# KiCad board ButterStick.kicad_pcb (continued)
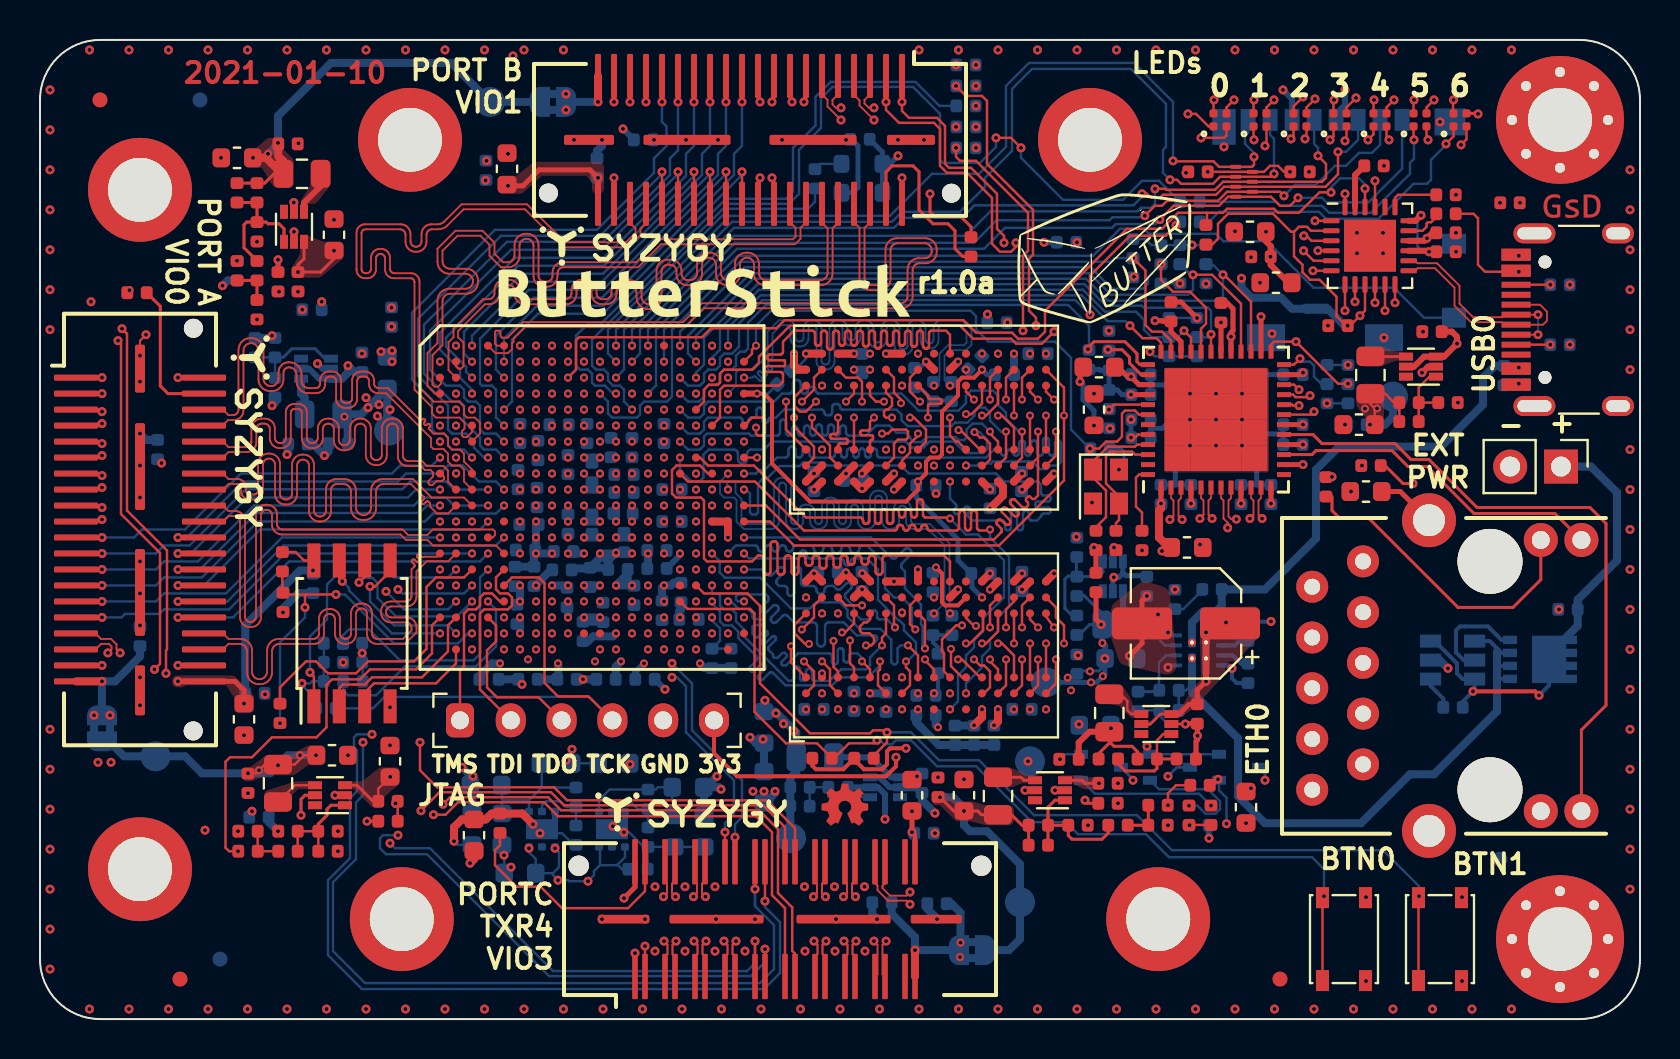
[diagram p0: board, top side]
## Routing (per net, layer and track width the routed paths; a pad name or vN(x,y) marks a point on that pad's centre or on a via; arc(x,y) is an arc through that point) (continued)
/SYZYGY2.RX3_N: length 27.8
  Top w0.1: J5.31 40.75,3.12 40.62,3.25 40.62,3.72 v1(40.8,3.9)
  In5.Cu w0.089: v1(40.8,3.9) 40.62,4.07 40.62,4.75 41.97,6.1 41.97,8 40.97,9.01 40.92,9.06 40.89,9.13 40.88,9.2 40.88,9.27 40.89,9.34 40.92,9.41 40.97,9.47 41.14,9.64 41.22,9.73 41.27,9.84 41.3,9.96 41.3,10.08 41.27,10.2 41.22,10.31 41.14,10.4 41.1,10.45 41,10.53 40.89,10.58 40.77,10.61 40.65,10.61 40.53,10.58 40.42,10.53 40.33,10.45 40.16,10.28 40.1,10.23 40.03,10.2 39.96,10.19 39.89,10.19 39.82,10.2 39.75,10.23 39.7,10.28 39.65,10.34 39.62,10.4 39.6,10.47 39.6,10.55 39.62,10.62 39.65,10.68 39.7,10.74 39.87,10.91 39.95,11.01 40,11.12 40.03,11.23 40.03,11.36 40,11.47 39.95,11.58 39.87,11.68 39.82,11.72 39.73,11.8 39.62,11.85 39.5,11.88 39.38,11.88 39.26,11.85 39.15,11.8 39.06,11.72 38.1,10.77 38.04,10.72 37.98,10.69 37.91,10.67 37.83,10.67 37.76,10.69 37.7,10.72 37.64,10.77 37.59,10.82 37.56,10.89 37.55,10.96 37.55,11.03 37.56,11.1 37.59,11.17 37.64,11.23 37.81,11.4 37.89,11.49 37.94,11.6 37.97,11.72 37.97,11.84 37.94,11.96 37.89,12.07 37.81,12.16 36.65,13.32 33.55,13.32 32.53,14.35 32.53,18.22 v2(32.8,18.5)
/SYZYGY2.RX3_P: length 27.8
  Top w0.1: v1(40.2,3.9) 40.38,3.72 40.38,3.25 40.25,3.12 J5.29
  In5.Cu w0.089: v2(32,18.5) 32.28,18.22 32.28,14.25 33.45,13.07 36.55,13.07 37.61,12.01 37.66,11.95 37.69,11.89 37.7,11.82 37.7,11.75 37.69,11.67 37.66,11.61 37.61,11.55 37.44,11.38 37.36,11.28 37.31,11.18 37.28,11.06 37.28,10.94 37.31,10.82 37.36,10.71 37.44,10.61 37.49,10.57 37.58,10.49 37.69,10.44 37.81,10.41 37.93,10.41 38.05,10.44 38.16,10.49 38.25,10.57 39.21,11.52 39.27,11.57 39.33,11.6 39.4,11.62 39.48,11.62 39.55,11.6 39.61,11.57 39.67,11.52 39.72,11.47 39.75,11.4 39.76,11.33 39.76,11.26 39.75,11.19 39.72,11.12 39.67,11.06 39.5,10.89 39.42,10.8 39.37,10.69 39.34,10.57 39.34,10.45 39.37,10.33 39.42,10.22 39.5,10.13 39.54,10.08 39.64,10 39.75,9.95 39.87,9.92 39.99,9.92 40.11,9.95 40.22,10 40.31,10.08 40.48,10.25 40.54,10.3 40.61,10.33 40.68,10.34 40.75,10.34 40.82,10.33 40.89,10.3 40.94,10.25 40.99,10.19 41.02,10.13 41.04,10.06 41.04,9.99 41.02,9.91 40.99,9.85 40.94,9.79 40.77,9.62 40.69,9.52 40.64,9.42 40.61,9.3 40.61,9.18 40.64,9.06 40.69,8.95 40.77,8.85 41.72,7.9 41.72,6.2 40.38,4.85 40.38,4.07 v1(40.2,3.9)
/SYZYGY2.S0: length 27.8
  Top w0.12: v1(34.25,9.35) J5.14
  In2.Cu w0.12: v2(28,32.1) 28,31.85 28.4,31.45 28.4,31.05 28.55,30.9 28.95,30.9 29.2,30.65 29.2,23 30,22.2 30,21.55 30.2,21.35 30.6,21.35 30.8,21.15 30.8,19.7 30.85,19.65 30.85,18.95 30.8,18.9 30.8,17.9 v1(31.6,17.1)
  Bottom w0.12: v1(31.6,17.1) 31.85,17.1 32.3,16.65 32.3,14.35 34.7,11.95 34.7,10.25 34.25,9.8 v1(34.25,9.35)
/SYZYGY2.S1: length 29
  Top w0.12: v1(34.75,9.1) J5.16
  In2.Cu w0.12: v2(28,32.9) 28.4,32.5 28.4,32 28.7,31.7 29,31.7 29.2,31.5 29.2,31.05 29.35,30.9 29.8,30.9 30,30.7 30,22.6 30.3,22.3 30.55,22.3 30.8,22.05 30.8,21.45 30.95,21.3 31.4,21.3 31.6,21.1 v1(31.6,17.8)
  Bottom w0.12: v1(31.6,17.8) 32.6,16.8 32.6,14.45 35.1,11.95 35.1,10.1 34.75,9.75 v1(34.75,9.1)
/SYZYGY2.S2: length 52.7
  Top w0.12: v1(35.75,3.9) J5.17
  In5.Cu w0.12: v2(24,31.3) 23.6,30.9 22.2,30.9 22,30.7 22,30.3 21.66,29.96 21.66,28.79 21.2,28.32 21.2,27.9 21,27.7 20.59,27.7 20.19,27.3 19.6,27.3 18.3,26 18.3,17.95 15.33,14.97 15.33,13.97 14.85,13.5 14.85,12.25 17.5,9.6 v1(17.5,8.8)
  Bottom w0.12: v1(17.5,8.8) 17.75,8.55 19.5,8.55 25.65,2.4 35.35,2.4 35.75,2.8 v1(35.75,3.9)
/SYZYGY2.S3: length 62.9
  Top w0.12: v1(35.75,6.5) J5.18
  In5.Cu w0.12: v2(24.8,31.3) 24.4,30.9 24.4,30.3 24.2,30.1 23.82,30.1 23.6,29.87 23.6,29.5 23.4,29.3 23.05,29.3 22.8,29.05 22.8,27.9 22.6,27.7 22.15,27.7 20.55,26.1 19.65,26.1 18.9,25.35 18.9,17.65 16.15,14.9 v1(16.15,13.85)
  Bottom w0.12: 35.75,5.65 36.7,4.7 36.7,2.5 36,1.8 16.25,1.8 14.65,3.4 14.65,6.85 15.8,8 15.8,10.85 16.15,11.2 v1(16.15,13.85) ; 35.75,5.65 v1(35.75,6.5) 35.75,5.65
/SYZYGY2.S4: length 52.8
  Top w0.12: v1(36.25,3.5) J5.19
  In5.Cu w0.12: v1(17.9,9.2) 17.9,9.7 16.15,11.45 16.15,13.3 15.75,13.7 15.75,15 18.55,17.8 18.55,25.7 19.78,26.92 21.03,26.92 22,27.9 22,29.85 22.25,30.1 23.35,30.1 23.75,30.5 v2(24,30.5)
  Bottom w0.12: v1(36.25,3.5) 36.25,2.85 35.55,2.15 25.45,2.15 19.35,8.25 17.3,8.25 17,8.55 17,9.05 17.15,9.2 v1(17.9,9.2)
/SYZYGY2.S5: length 63.3
  Top w0.12: v1(36.25,5.9) J5.20
  In5.Cu w0.12: v1(16.6,14.25) 17.6,14.25 18,14.65 18,16.05 19.25,17.3 19.25,24.75 19.8,25.3 20.4,25.3 22,26.9 22.55,26.9 22.8,27.15 22.8,27.45 23.05,27.7 23.35,27.7 23.6,27.95 23.6,29.05 23.85,29.3 24.15,29.3 24.4,29.55 24.4,29.82 24.8,30.22 v2(24.8,30.5)
  Bottom w0.12: v1(16.6,14.25) 15.85,14.25 15.7,14.1 15.7,13.6 15.85,13.45 15.85,11.4 15.5,11.05 15.5,8.05 14.4,6.95 14.4,3.2 16.1,1.5 36.2,1.5 37,2.3 37,4.85 36.25,5.6 v1(36.25,5.9)
/SYZYGY2.S6: length 51.3
  Top w0.12: J5.21 37.25,5.55 36.6,6.2 36.6,9.35 35.8,10.15 25.9,10.15 25.2,10.85 20.9,10.85 20.28,10.22 v1(19.67,10.22)
  In5.Cu w0.12: v2(25.6,31.3) 26,30.9 26,29.5 25.8,29.3 25.43,29.3 25.2,29.07 25.2,27.95 24.95,27.7 24.6,27.7 24.4,27.5 24.4,27.15 24.15,26.9 23.85,26.9 23.6,26.65 23.6,26.35 23.35,26.1 23.05,26.1 22.8,25.85 22.8,25.55 22.55,25.3 22.2,25.3 22,25.1 22,24.7 21.8,24.5 21.4,24.5 21.2,24.3 21.2,20.7 20.4,19.9 20.4,17.55 18.6,15.75 18.6,12.35 19.65,11.3 19.65,10.25 v1(19.67,10.22)
/SYZYGY2.S7: length 46
  Top w0.12: J5.22 37.25,9.6 36.15,10.7 26.2,10.7 25.55,11.35 19.97,11.35 v1(19.05,10.42)
  In5.Cu w0.12: v1(19.05,10.42) 19.05,11.1 18.32,11.83 18.32,15.87 19.55,17.1 19.55,24.25 19.8,24.5 21,24.5 21.2,24.7 21.2,25.25 22.05,26.1 22.55,26.1 22.8,26.35 22.8,26.7 23,26.9 23.35,26.9 23.6,27.15 23.6,27.45 23.85,27.7 24.15,27.7 24.4,27.95 24.4,29.05 24.65,29.3 24.95,29.3 25.2,29.55 25.2,30.1 v2(25.6,30.5)
/SYZYGY2.S8: length 50.5
  Top w0.12: J5.23 37.75,3.27 37.61,3.41 37.61,5.59 36.9,6.3 36.9,9.5 35.95,10.45 26.05,10.45 25.4,11.1 20.5,11.1 v1(20.15,10.75)
  In5.Cu w0.12: v1(20.15,10.75) 20.15,11.51 19.53,12.14 19.53,15.77 22.03,18.27 22.03,20.32 22.2,20.5 22.55,20.5 22.78,20.72 22.78,24.27 23,24.5 24.18,24.5 24.4,24.72 24.4,25.12 24.57,25.3 25,25.3 25.2,25.5 25.2,25.85 25.45,26.1 25.8,26.1 26.03,26.32 26.03,26.7 26.18,26.85 26.5,26.85 26.8,27.15 26.8,29.1 27,29.3 27.35,29.3 27.6,29.55 27.6,29.85 27.2,30.25 v2(27.2,30.5)
/SYZYGY2.S9: length 45.5
  Top w0.12: v1(19,13.85) 19,12.45 19.85,11.6 25.7,11.6 26.35,10.95 36.35,10.95 37.75,9.55 J5.24
  In5.Cu w0.12: v1(19,13.85) 19,15.75 21.2,17.95 21.2,20.3 21.4,20.5 21.8,20.5 22,20.7 22,23.92 23.38,25.3 24.2,25.3 24.4,25.5 24.4,26.65 24.6,26.85 25.75,26.85 26,27.1 26,29.1 26.2,29.3 26.55,29.3 26.8,29.55 26.8,30.9 v2(27.2,31.3)
/SYZYGY2.TX0_N: length 27.8
  Top w0.1: 31.72,7.89 31.72,6.9 31.6,6.77 31.6,6.3 v1(31.78,6.12)
  In2.Cu w0.089: v2(23.2,19.3) 22.93,19.02 22.93,18.85 22.43,18.35 22.43,8.05 24.05,6.42 24.16,6.42 24.28,6.41 24.39,6.37 24.5,6.31 24.58,6.22 24.65,6.12 24.69,6 24.7,5.88 24.7,5.38 24.71,5.31 24.73,5.24 24.77,5.18 24.82,5.12 24.88,5.09 24.95,5.06 25.03,5.05 25.1,5.06 25.17,5.09 25.23,5.12 25.28,5.18 25.32,5.24 25.34,5.31 25.35,5.38 25.35,5.88 25.36,6 25.4,6.12 25.47,6.22 25.55,6.31 25.66,6.37 25.77,6.41 25.89,6.42 27.65,6.42 29.35,8.12 31.05,8.12 31.6,7.58 31.6,6.3 v1(31.78,6.12)
/SYZYGY2.TX0_P: length 27.8
  Top w0.1: 31.22,7.89 31.22,6.9 31.35,6.77 31.35,6.3 v1(31.18,6.12)
  In2.Cu w0.089: v1(31.18,6.12) 31.35,6.3 31.35,7.47 30.95,7.87 29.45,7.87 27.75,6.17 25.93,6.17 25.85,6.17 25.78,6.14 25.72,6.1 25.67,6.05 25.63,5.99 25.61,5.92 25.6,5.85 25.6,5.35 25.59,5.23 25.55,5.11 25.48,5.01 25.4,4.92 25.29,4.86 25.18,4.82 25.06,4.8 24.99,4.8 24.87,4.82 24.76,4.86 24.65,4.92 24.57,5.01 24.5,5.11 24.46,5.23 24.45,5.35 24.45,5.85 24.44,5.92 24.42,5.99 24.38,6.05 24.33,6.1 24.27,6.14 24.2,6.17 24.12,6.17 23.95,6.17 22.18,7.95 22.18,18.45 22.68,18.95 22.68,19.02 v2(22.4,19.3)
/SYZYGY2.TX1_N: length 27.8
  Top w0.1: v1(33.28,6.12) 33.1,6.3 33.1,6.77 33.22,6.9 33.22,7.89
  In2.Cu w0.089: v2(26.4,19.3) 26.12,19.02 26.12,18.95 26.53,18.55 26.53,17.25 24.93,15.65 24.93,12.85 25.31,12.46 25.39,12.37 25.44,12.26 25.47,12.14 25.47,12.02 25.44,11.9 25.39,11.79 25.31,11.7 24.61,11 24.57,10.94 24.54,10.88 24.52,10.81 24.52,10.73 24.54,10.66 24.57,10.6 24.61,10.54 24.67,10.49 24.74,10.46 24.81,10.45 24.88,10.45 24.95,10.46 25.02,10.49 25.07,10.54 27.08,12.55 27.18,12.63 27.29,12.68 27.41,12.71 27.53,12.71 27.65,12.68 27.75,12.63 27.85,12.55 27.9,12.5 27.97,12.41 28.03,12.3 28.05,12.18 28.05,12.06 28.03,11.94 27.97,11.83 27.9,11.74 27.2,11.04 27.15,10.98 27.12,10.92 27.1,10.85 27.1,10.77 27.12,10.7 27.15,10.64 27.2,10.58 27.45,10.32 30.85,10.32 33.1,8.08 33.1,6.3 v1(33.28,6.12)
/SYZYGY2.TX1_P: length 27.8
  Top w0.1: v1(32.68,6.12) 32.85,6.3 32.85,6.77 32.72,6.9 32.72,7.89
  In2.Cu w0.089: v1(32.68,6.12) 32.85,6.3 32.85,7.97 30.75,10.07 27.35,10.07 27,10.43 26.92,10.52 26.87,10.63 26.84,10.75 26.84,10.87 26.87,10.99 26.92,11.1 27,11.19 27.7,11.89 27.74,11.95 27.77,12.01 27.79,12.08 27.79,12.16 27.77,12.23 27.74,12.29 27.7,12.35 27.64,12.4 27.57,12.43 27.5,12.44 27.43,12.44 27.36,12.43 27.29,12.4 27.24,12.35 25.23,10.34 25.13,10.26 25.02,10.21 24.9,10.18 24.78,10.18 24.66,10.21 24.55,10.26 24.46,10.34 24.41,10.39 24.34,10.48 24.28,10.59 24.26,10.71 24.26,10.83 24.28,10.95 24.34,11.06 24.41,11.15 25.11,11.85 25.16,11.91 25.19,11.97 25.2,12.05 25.2,12.12 25.19,12.19 25.16,12.25 25.11,12.31 24.68,12.75 24.68,15.75 26.28,17.35 26.28,18.45 25.88,18.85 25.88,19.02 v2(25.6,19.3)
/SYZYGY2.TX2_N: length 27.8
  Top w0.1: 39.22,7.89 39.22,6.9 39.1,6.77 39.1,6.3 v1(39.28,6.12)
  In2.Cu w0.089: v2(30.4,19.3) 30.12,19.02 30.12,18.85 29.72,18.45 29.72,16.65 30.03,16.35 30.03,13.35 31.02,12.36 31.07,12.32 31.14,12.28 31.21,12.27 31.28,12.27 31.35,12.28 31.42,12.32 31.48,12.36 31.96,12.85 32.05,12.92 32.16,12.97 32.28,13 32.4,13 32.52,12.97 32.63,12.92 32.73,12.85 32.77,12.8 32.85,12.7 32.9,12.59 32.93,12.48 32.93,12.35 32.9,12.24 32.85,12.13 32.77,12.03 32.29,11.55 32.24,11.49 32.21,11.43 32.2,11.35 32.2,11.28 32.21,11.21 32.24,11.15 32.29,11.09 32.55,10.82 36.35,10.82 37.05,10.12 37.13,10.03 37.18,9.92 37.21,9.8 37.21,9.68 37.18,9.56 37.13,9.45 37.05,9.36 36.66,8.96 36.61,8.91 36.58,8.84 36.56,8.77 36.56,8.7 36.58,8.63 36.61,8.56 36.66,8.5 36.71,8.46 36.78,8.43 36.85,8.41 36.92,8.41 37,8.43 37.06,8.46 37.12,8.5 38.27,9.66 38.37,9.73 38.48,9.79 38.59,9.81 38.72,9.81 38.83,9.79 38.94,9.73 39.04,9.66 39.09,9.61 39.16,9.52 39.21,9.41 39.24,9.29 39.24,9.17 39.21,9.05 39.16,8.94 39.09,8.85 38.94,8.7 38.89,8.64 38.86,8.58 38.85,8.5 38.85,8.43 38.86,8.36 38.89,8.3 38.94,8.24 39.1,8.08 39.1,6.3 v1(39.28,6.12)
/SYZYGY2.TX2_P: length 27.8
  Top w0.1: 38.72,7.89 38.72,6.9 38.85,6.77 38.85,6.3 v1(38.68,6.12)
  In2.Cu w0.089: v1(38.68,6.12) 38.85,6.3 38.85,7.97 38.74,8.09 38.66,8.18 38.61,8.29 38.58,8.41 38.58,8.53 38.61,8.65 38.66,8.76 38.74,8.85 38.89,9 38.93,9.06 38.96,9.12 38.98,9.19 38.98,9.26 38.96,9.34 38.93,9.4 38.89,9.46 38.83,9.5 38.76,9.54 38.69,9.55 38.62,9.55 38.55,9.54 38.48,9.5 38.43,9.46 37.27,8.3 37.18,8.23 37.07,8.18 36.95,8.15 36.83,8.15 36.71,8.18 36.6,8.23 36.5,8.3 36.46,8.35 36.38,8.45 36.33,8.55 36.3,8.67 36.3,8.79 36.33,8.91 36.38,9.02 36.46,9.12 36.85,9.51 36.9,9.57 36.93,9.63 36.95,9.7 36.95,9.78 36.93,9.85 36.9,9.91 36.85,9.97 36.25,10.57 32.45,10.57 32.09,10.94 32.01,11.03 31.96,11.14 31.93,11.26 31.93,11.38 31.96,11.5 32.01,11.61 32.09,11.7 32.57,12.19 32.62,12.24 32.65,12.31 32.67,12.38 32.67,12.45 32.65,12.52 32.62,12.59 32.57,12.65 32.52,12.69 32.45,12.72 32.38,12.74 32.31,12.74 32.24,12.72 32.17,12.69 32.11,12.65 31.63,12.16 31.53,12.09 31.42,12.03 31.31,12.01 31.18,12.01 31.07,12.03 30.96,12.09 30.86,12.16 29.78,13.25 29.78,16.25 29.47,16.55 29.47,18.55 29.88,18.95 29.88,19.02 v2(29.6,19.3)
/SYZYGY2.TX3_N: length 27.8
  Top w0.1: 40.72,7.89 40.72,6.9 40.6,6.77 40.6,6.3 v1(40.78,6.12)
  In2.Cu w0.089: v2(33.6,19.3) 33.32,19.02 33.32,18.95 33.72,18.55 33.72,17.55 37.35,13.92 39.85,13.92 40.6,13.18 40.6,12.62 40.59,12.5 40.55,12.38 40.48,12.28 40.4,12.19 40.29,12.13 40.18,12.09 40.06,12.07 39.26,12.07 39.19,12.07 39.12,12.04 39.06,12 39,11.95 38.97,11.89 38.94,11.82 38.93,11.75 38.94,11.68 38.97,11.61 39,11.55 39.06,11.5 39.12,11.46 39.19,11.43 39.26,11.42 41.68,11.42 41.8,11.41 41.91,11.37 42.01,11.31 42.1,11.22 42.16,11.12 42.2,11 42.22,10.88 42.22,10.82 42.2,10.7 42.16,10.58 42.1,10.48 42.01,10.39 41.91,10.33 41.8,10.29 41.68,10.27 40.93,10.27 40.85,10.27 40.78,10.24 40.72,10.2 40.67,10.15 40.63,10.09 40.61,10.02 40.6,9.95 40.61,9.88 40.63,9.81 40.67,9.75 40.72,9.7 40.78,9.66 40.85,9.63 40.93,9.62 41.73,9.62 41.85,9.61 41.96,9.57 42.06,9.51 42.15,9.42 42.21,9.32 42.25,9.2 42.27,9.08 42.27,9.02 42.25,8.9 42.21,8.78 42.15,8.68 42.06,8.59 41.96,8.53 41.85,8.49 41.73,8.47 40.93,8.47 40.85,8.47 40.78,8.44 40.72,8.4 40.67,8.35 40.63,8.29 40.61,8.22 40.6,8.15 40.6,6.3 v1(40.78,6.12)
/SYZYGY2.TX3_P: length 27.8
  Top w0.1: 40.22,7.89 40.22,6.9 40.35,6.77 40.35,6.3 v1(40.18,6.12)
  In2.Cu w0.089: v2(32.8,19.3) 33.07,19.02 33.07,18.85 33.47,18.45 33.47,17.45 37.25,13.67 39.75,13.67 40.35,13.07 40.35,12.65 40.34,12.58 40.32,12.51 40.28,12.45 40.23,12.4 40.17,12.36 40.1,12.33 40.03,12.32 39.22,12.32 39.1,12.31 38.99,12.27 38.89,12.21 38.8,12.12 38.74,12.02 38.7,11.9 38.68,11.78 38.68,11.72 38.7,11.6 38.74,11.48 38.8,11.38 38.89,11.29 38.99,11.23 39.1,11.19 39.22,11.17 41.64,11.17 41.71,11.17 41.78,11.14 41.84,11.1 41.9,11.05 41.93,10.99 41.96,10.92 41.97,10.85 41.96,10.78 41.93,10.71 41.9,10.65 41.84,10.6 41.78,10.56 41.71,10.53 41.64,10.52 40.89,10.52 40.77,10.51 40.66,10.47 40.55,10.41 40.47,10.32 40.4,10.22 40.36,10.1 40.35,9.98 40.35,9.92 40.36,9.8 40.4,9.68 40.47,9.58 40.55,9.49 40.66,9.43 40.77,9.39 40.89,9.37 41.69,9.37 41.76,9.37 41.83,9.34 41.89,9.3 41.95,9.25 41.98,9.19 42.01,9.12 42.02,9.05 42.01,8.98 41.98,8.91 41.95,8.85 41.89,8.8 41.83,8.76 41.76,8.73 41.69,8.72 40.89,8.72 40.77,8.71 40.66,8.67 40.55,8.61 40.47,8.52 40.4,8.42 40.36,8.3 40.35,8.18 40.35,6.3 v1(40.18,6.12)
/SYZYGY2.VIO1: length 54
  Top w0.4: J5.39 v1(43.75,3.45)
  In3.Cu w0.4: v2(26.4,29.7) v2(27.2,29.7)
  In4.Cu w0.15: 27.6,34.02 27.6,30.1 v2(27.2,29.7)
  In4.Cu w0.4: v1(60.07,37.07) 59.15,38 57.07,38 56.2,38.87 51.28,38.87 49.78,37.37 29.93,37.37 27.6,35.05 27.6,34.02
  Bottom w0.3: C155.1 v1(51.85,38.87)
  Bottom w0.4: v1(60.07,37.07) 60.07,36.6 60.57,36.1 62.05,36.1 62.6,35.55 NT1.1 ; JP3.2 v1(43.75,3.45) 43.75,4.1 42.59,5.26 C163.1 ; C164.1 45.57,5.77 46.03,5.32 v2(46.03,3.82)
  vias: v2(46,3.1)
/SYZYGY-0-STD/VOUT: length 22.3
  Top w0.12: L7.2 v1(11.9,12.7) ; L7.2 11.24,12.74 v2(10.95,12.45) 10.8,12.3 v1(10.4,12.3) C102.1 ; L7.2 12.74,12.74 13.2,13.2 C101.1 ; R78.2 v1(14.9,9.4) ; C100.1 v1(14.9,8.4)
  In2.Cu w0.12: v1(11.9,12.7) 11.9,12.1 12.4,11.6 12.4,9.85 12.85,9.4 v1(14.9,9.4) v1(14.9,8.4)
  Bottom w0.4: v1(13.8,13.2) v2(13,13.2) 12.4,13.2 11.5,12.3 8.1,12.3 7.25,13.15 TP9.1 4.2,13.15 3.5,13.85 3.15,13.85 JP1.1
/SYZYGY-1-STD/VOUT: length 23.9
  Top w0.15: L8.2 11.7,42.3 11.23,41.83 R83.2 C107.1
  Top w0.4: C109.1 11.92,43.18 12.16,42.94 L8.2 12.1,42.3 11.3,43.1 C108.1
  Bottom w0.4: v1(10.65,43.1) 11.2,43.1 v2(11.4,43.3) 11.9,43.8 11.9,45.2 14.55,47.85 20.55,47.85 TP10.1 JP2.1
  vias: v1(11.9,43.85)
/SYZYGY-2-TXR4/VOUT: length 18.3
  Top w0.15: C114.1 R88.2 49.1,9.7 48.57,10.22 L9.2 47.07,10.22 46.89,10.41 v1(46.2,10.41) 45.69,10.41 v1(45,11.1)
  Bottom w0.4: 46.2,9.7 46.2,10.55 45.65,11.1 v1(45,11.1) ; 46.2,9.7 46.5,9.4 47.35,9.4 49,7.75 TP11.1 49,4 48.45,3.45 JP3.1 ; 46.2,9.7 v1(46.2,10.41)
/USB-PHY/ULPI_1V8: length 2.3
  Top w0.12: 66.22,42.7 66.2,42.7
  Top w0.3: 66.22,42.7 65.75,42.23 U1.23
/USB-PHY/ULPI_3V3: length 4.8
  Top w0.12: 69.81,38.42 69.47,38.42 v1(69.45,38.4)
  Top w0.3: U1.18 68.78,39.95 v1(69.05,40.22) ; U1.15 69.4,38.45 v1(69.45,38.4) C3.1
  Bottom w0.12: v1(69.05,40.22) 68.88,40.05 68.88,38.67 69.15,38.4 v1(69.45,38.4)
/USB-PHY/USBD_N: length 10.2
  Top w0.089: U1.14 68.75,37.95 68.88,37.82 69.85,37.82 70.97,36.7 70.97,35.8 71.65,35.12 73.1,35.12 73.22,35.25 v1(74.9,35.25) ; v1(74.9,34.25) 73.94,34.25
  Bottom w0.089: v1(74.9,35.25) v1(74.9,34.25)
/USB-PHY/USBD_P: length 10.7
  Top w0.089: 73.94,35.75 75,35.75 75.35,35.4 75.35,34.95 75.15,34.75 73.22,34.75 73.1,34.87 71.55,34.87 70.72,35.7 70.72,36.6 69.75,37.57 68.88,37.57 68.75,37.45 U1.13
BUTTON_A: length 47.1
  Top w0.12: v1(41.85,13.95) 41.7,13.8 40.45,13.8 39.7,13.05 R33.2 39.59,13.06 38.85,13.8 37.3,13.8 35.72,15.37 35.72,20.3 35.5,20.53 32.37,20.53 U4.U16 ; SW1.1 SW1.1
  Bottom w0.12: v1(41.85,13.95) 42,13.95 42.2,13.75 42.6,13.75 42.8,13.95 43.55,13.95 44.85,12.65 46.8,12.65 49.6,9.85 51.3,9.85 51.9,9.25 55.3,9.25 56.45,8.1 63.6,8.1 64.2,7.5 v1(64.2,6.15)
BUTTON_B: length 51
  Top w0.12: SW2.1 SW2.1 ; U4.T17 33.2,21.3 35.38,21.3 36,20.67 36,16.8 38.5,14.3 41.5,14.3 41.65,14.45 42.25,14.45 v1(42.35,14.35) 42.35,13.85 41.69,13.18 R34.2
  Bottom w0.12: v1(68.95,6.15) 68.95,6.65 67.15,8.45 56.6,8.45 54.85,10.2 49.7,10.2 46.95,12.95 44.95,12.95 43.55,14.35 v1(42.35,14.35)
P_1.35_DRAM: length 47
  Top w0.2: v1(43.3,13.55) 42.5,13.55 42.35,13.4 42.35,12.75 42.1,12.5 41.2,12.5 40.72,12.98 40.72,13.05 40.16,12.5 38.8,12.5 38.62,12.68 38.62,13.05
  Top w0.25: v1(53.06,19.74) 52.8,20 C148.1
  Top w0.4: U12.K8 v2(45.9,21.5) ; U12.E9 41.5,21.92 v2(41.11,22.31) ; U11.F1 v2(42.7,27.3) ; U4.M18 U4.M19 v2(34.4,24.1) ; U11.B2 v2(38.7,27.3) U11.A1 ; v2(49.1,26.5) U11.R1 ; v2(47.5,21.5) U12.N9 ; v2(49.1,21.5) U12.R9 ; v2(47.9,15.5) 47.9,14.9 v2(47.7,14.7) ; 40.3,22.3 v2(40.3,22.35) ; 40.3,22.3 U12.D9 ; 40.3,22.3 U12.C9 ; U11.A8 37.9,32.5 37.7,32.7 v2(37.7,33.3) ; v2(40.7,33.3) U11.C9 ; U11.N1 48.15,26.65 48.15,26.2 v2(47.5,25.55) ; U11.D2 v2(40.3,27.3) U11.C1 ; U12.H9 v2(43.9,22.5) ; v2(45.9,32.9) U11.K8
  In3.Cu w0.2: v1(43.3,13.55) 43.3,14.55
  In3.Cu w0.4: v2(47.9,15.5) 47.9,16.2 48.3,16.6 49.6,16.6 50.09,17.09 v2(51.39,17.09) 52.19,17.09 v2(52.5,17.4) 53.2,18.1 v2(51.55,16.45) 51.2,16.1 50.1,16.1 v2(49.5,15.5)
  Bottom w0.15: 51.84,17.42 52.96,17.42 53.24,17.71 v1(53.24,18.04) ; 51.84,19.21 51.94,19.21 52.48,19.74 L3.2 53.1,20.29 52.2,21.2 51.84,21.2
  Bottom w0.25: TP5.1 v2(52.55,16.85) 52.84,16.85 v2(53.14,17.16) 53.24,17.26 v1(53.24,18.04)
  Bottom w0.3: C74.1 53.25,18.68 v2(53.12,18.82) 53.1,18.83 53.1,19.69 v1(53.06,19.74) ; v2(41.5,33.3) v2(40.7,33.3)
  vias: v2(30.4,28.1) v2(30.4,25.7) v2(31.2,28.1) v2(31.2,27.3) v2(31.2,25.7) v2(31.2,24.9) v2(32,26.5) v2(32.8,26.5) v2(32.8,20.9) v2(35.2,21.7) v2(38.3,21.1) v2(38.3,15.5) v2(39.1,16.3) v2(39.9,15.5) v2(40.7,16.3) v2(42.3,15.5) v2(43.1,31.7) v2(43.1,20.35) v2(43.9,33.3) v2(43.9,27.7) v2(43.9,16.3) v2(45.5,27.7) v2(45.5,16.3) v2(47.9,33.3) v2(49.5,33.3)
P_1V2_A: length 5.9
  Bottom w0.12: U16.1 27.95,10.95 28.49,11.48 R60.2 30.78,11.48 30.9,11.6 FB2.1 31.61,10.89 31.7,10.8 C41.1
P_1V2_FPGA: length 32.3
  In3.Cu w0.15: v2(25.6,26.5) 25.2,26.1 19.8,26.1 19.55,26.35 18.95,30.45 18.3,31.7 15.05,32.3 14.15,33.2 12.6,33.2 v1(11.6,34.2)
  Bottom w0.12: v1(11.6,34.2) 11.48,34.08 C81.1
  Bottom w0.4: C43.1 27.6,28.05 27.65,28.1 ; v2(28,28.1) 27.65,28.1 ; 27.65,28.1 v2(27.2,28.1) ; C87.1 15.39,29.98 v2(15.22,30.15) L6.2 16.06,30.26 v1(16.4,30.6) 16.4,30.6 C84.1 17.36,29.54 TP8.1 ; v2(29.6,24.9) v2(29.6,25.7) ; v2(27.2,24.1) v2(28,24.1) ; R65.2 C81.1 ; 29.44,24.1 C49.1 28.97,24.1 v2(28.8,24.1) v2(29.6,24.1) 29.44,24.1
  vias: v1(16.3,31.1) v1(16.88,30.17) v1(16.95,30.75) v1(17.5,30.5) v2(25.6,28.1) v2(25.6,27.3) v2(25.6,25.7) v2(25.6,24.9) v2(25.6,24.1) v2(26.4,28.1) v2(26.4,24.1) v2(28.8,28.1) v2(29.6,28.1) v2(29.6,27.3) v2(29.6,26.5)
P_1V2_T: length 7.2
  Bottom w0.12: R74.2 25.09,11.58 ; 25.09,11.58 24.45,10.95 ; 25.09,11.58 25.09,12.73 FB3.1 ; 24.45,10.95 U17.1 ; 24.45,10.95 23.15,10.95 23.1,11 ; 23.1,11 23.1,11.69 FB4.1 ; 23.1,11 C57.1
V_DRAMREF: length 86.8
  Top w0.2: v2(47.1,32.5) 46.7,32.1 46.1,32.1 45.9,31.9 45.9,31.2 45.1,30.4 45.1,28.25 44.95,28.1 44.5,28.1 44.3,27.9 44.3,27.3 v2(43.9,26.9) 43.9,26.5 43.3,25.9 38.5,25.9 36.6,27.8 36.6,30.9 36.2,31.3 v2(35.85,31.3)
  Top w0.3: v2(35.85,31.3) U4.D20
  In2.Cu w0.12: v2(43.9,15.5) 43.3,14.9 38.1,14.9 34.47,18.52 34.47,18.77 34.35,18.9 34.2,18.9 34,19.1 34,20.4 33.85,20.55 33.35,20.55 33.2,20.7 33.2,21.3 32.8,21.7 32,21.7 31.55,22.15 31.55,22.85 v2(32,23.3)
  In2.Cu w0.15: v2(32,23.3) 31.6,23.7 31.6,29.9 31.8,30.1 32.4,30.1 33.2,30.9 35.45,30.9 v2(35.85,31.3)
  In4.Cu w0.2: v2(43.9,15.5) 43.43,15.97 43.43,16.55 43.82,16.95 43.82,18.8 44.2,19.17 44.2,21.87 44.32,22 44.32,25.67 43.9,26.1 v2(43.9,26.9)
  In4.Cu w0.25: v2(47.1,21.1) 47.1,21.12 46.62,21.6 46.62,22.57 45.6,23.6 44.32,23.6
  Bottom w0.12: v2(35.85,31.3) 36.4,31.3 C121.1 ; 31.28,22.4 31.28,22.43 32,23.15 v2(32,23.3)
  Bottom w0.15: v2(43.9,15.5) 43.9,14.75 44,14.65 ; 47.16,13.71 R69.2 ; 47.16,13.71 R70.1 44.94,13.71 ; 47.16,13.71 47.2,13.75
  Bottom w0.25: C21.1 47.35,32.25 v2(47.1,32.5) ; v2(47.1,21.1) 46.6,21.6 46.6,22.25 45.9,22.95 45.9,24 43.81,26.08 C92.1
  Bottom w0.3: v2(32,23.3) 32,23.21 C120.1
  Bottom w0.4: R69.2 44.94,13.71 43.81,14.83 C97.1
Net-(C10-Pad2): length 8.1
  Top w0.12: v1(54.55,29.1) 54.75,29.1 54.9,29.25 U2.44 ; C10.2 v1(52.7,29.7)
  Top w0.25: v1(52,31.9) 52,32.3 52.2,32.5 52.2,32.7
  In5.Cu w0.15: v1(52.7,29.7) 53,30 v1(54.55,30)
  Bottom w0.12: C6.2 v1(54.55,30)
  Bottom w0.15: C8.2 C6.2
  Bottom w0.25: v1(54.55,30) v1(54.55,29.1) ; v1(52,31.9) 52.15,31.75 52.15,31 52.7,30.45 v1(52.7,29.7)
Net-(C18-Pad2): length 6.3
  Top w0.12: U2.46 54.75,28.25 54.6,28.4 53.5,28.4 53.3,28.2 53.3,26.8 53.95,26.15 Y1.3 53.95,24.97 53.8,24.82 C18.2
Net-(C19-Pad2): length 7
  Top w0.12: U2.45 54.85,28.75 54.75,28.65 53.4,28.65 52.65,27.9 Y1.1 52.65,27.1 53.3,26.45 53.3,25.12 52.8,24.62 C19.2
Net-(C54-Pad2): length 4.5
  Bottom w0.12: R58.1 C54.2 R59.2 39.41,11.13 39.55,11 40.75,11 40.85,11.1 U6.1
Net-(C64-Pad1): length 16.5
  Top w0.12: v1(61.53,38.15) 61.53,38.14 61.53,38.12 ; 61.35,39.45 v1(61.3,39.4)
  Top w0.3: v1(61.3,39.4) 61.3,38.92 61.53,38.68 C64.1 61.53,37.74 62.43,36.85 FB5.2
  In4.Cu w0.3: v1(61.53,38.15) 61.53,39.17 v1(61.3,39.4) 61.1,39.6 61.1,42.55 61.95,43.4 61.95,44.45 62.45,44.95 64.7,44.95 65.25,45.5 v1(65.25,46.5)
  Bottom w0.3: J2.4 64.81,45.3 65.25,45.75 v1(65.25,46.5)
Net-(C73-Pad2): length 5.8
  Bottom w0.15: 51.84,22.17 51.41,22.17 51.24,22.01 51.24,20.56 51.59,20.21 51.82,20.21 ; R56.1 52.93,22.14 53.14,22.36 U7.1 ; 51.82,23.15 51.82,22.17
Net-(C79-Pad2): length 5.6
  Top w0.12: R61.1 55.85,13.95 56.16,14.26 U8.1
  Top w0.15: C79.2 53.9,12.78 54.26,12.41 55.72,12.41 55.85,12.55 R61.1 R62.2
Net-(C80-Pad2): length 3.8
  Top w0.12: U9.1 69.47,32.15 68.94,31.61 R63.1 ; R64.2 R63.1 ; R63.1 C80.2
Net-(C81-Pad2): length 5.2
  Bottom w0.12: R66.2 R65.1 C81.2
  Bottom w0.15: R65.1 12.17,33.11 12.6,33.55 13.75,33.55 14.25,33.05 U10.1
Net-(C99-Pad1): length 2
  Top w0.12: R77.2 R75.1 C99.1
Net-(C100-Pad2): length 5.3
  Top w0.12: C100.2 R78.1 R79.2 ; 12.9,9.41 R79.2 ; R79.2 R77.1
  Top w0.15: R78.1 13.92,9.76 14.35,10.2 14.35,10.5 14.55,10.7 U13.1
Net-(C106-Pad1): length 2
  Top w0.15: C106.1 R82.2 R80.1
Net-(C107-Pad2): length 6.9
  Top w0.15: R84.2 10.33,39.88 10.2,39.75 10.2,38.6 10.85,37.95 R82.1 ; R84.2 R83.1 C107.2 ; R84.2 11.31,39.88 11.4,39.8 11.95,39.8 12.2,39.55 U14.1
Net-(C113-Pad1): length 2
  Top w0.15: 54.38,9.7 R85.1 C113.1
Net-(C114-Pad2): length 7
  Top w0.15: R88.1 R89.2 51.41,9.18 51.6,9 53.1,9 53.41,9.31 R87.1 ; R88.1 C114.2 ; R88.1 50.4,10.6 50.75,10.95 U15.1
Net-(C143-Pad1): length 34.1
  Bottom w0.12: C143.1 R95.2 57.3,16.45 57.6,16.75 U18.2
  Bottom w0.2: U19.4 72.49,18.91 72.85,18.55 ; 72.85,18.55 72.82,18.57 73.07,18.32 Q4.2 ; 72.85,18.55 72.85,17.75 ; 72.85,17.75 72.85,17.2 73.03,17.02 Q4.2 ; 72.85,17.75 72.93,17.67 Q4.2
  Bottom w0.4: 72.85,18.4 72.85,15.4 69.7,12.25 68.5,12.25 66.05,9.8 61.25,9.8 59.9,11.15 59.9,14.05 57.6,16.35 U18.2
Net-(C144-Pad1): length 1.5
  Bottom w0.2: C144.1 60.06,17.78 59.65,18.2 U18.11
Net-(C145-Pad1): length 2.2
  Bottom w0.2: 43.68,31.61 43.99,31.61 44.62,30.97 44.62,30.96 45.57,30.96
Net-(C146-Pad1): length 2
  Bottom w0.2: C146.1 44.9,18.6 44.65,18.85 R71.1 R94.1
Net-(C166-Pad1): length 23.5
  Top w0.2: v1(71.65,16.4) 74.75,16.4 v1(74.95,16.2)
  Bottom w0.2: Q4.3 75.46,16.7 v1(74.95,16.2) ; U19.3 69.74,18.91 70.85,17.8 70.85,17.3 71.13,17.01 U19.6 71.73,16.48 71.13,15.88 C167.1
  Bottom w0.4: J7.1 77.55,27.65 78.85,26.35 78.85,22.95 76.88,20.98 76.88,19.68 75.21,18
Net-(C167-Pad2): length 1.7
  Bottom w0.2: C167.2 70.16,16.03 69.53,16.67 U19.1
Net-(CON1-Pad1): length 18.5
  Top w0.25: 67.05,26.4 68.01,26.4 CON1.1
  In3.Cu w0.25: CON1.1 CON1.1
Net-(CON1-Pad12): length 15.7
  Top w0.15: 64.6,26.15 64.6,25.45 64.95,25.1 66.4,25.1 70.9,20.6 73.65,20.6 75.04,21.99 CON1.12
Net-(CON1-Pad13): length 16.8
  Top w0.15: CON1.13 75.75,25.3 71.7,25.3 69.35,27.65 68.4,27.65 67.6,28.45 63.8,28.45 63.6,28.25 U2.15
Net-(CON1-Pad14): length 28.7
  Top w0.15: v1(68.65,26.8) 68.15,26.8 67.25,27.7 R32.1
  In5.Cu w0.15: v1(68.65,26.8) 70.55,26.8 71.75,25.6 77.95,25.6 78.55,25 78.55,15.75 75.04,12.24 75.04,10.4
